# Altium PCB USB_PD_PSU.PcbDoc (part 1 of 2) (continued)
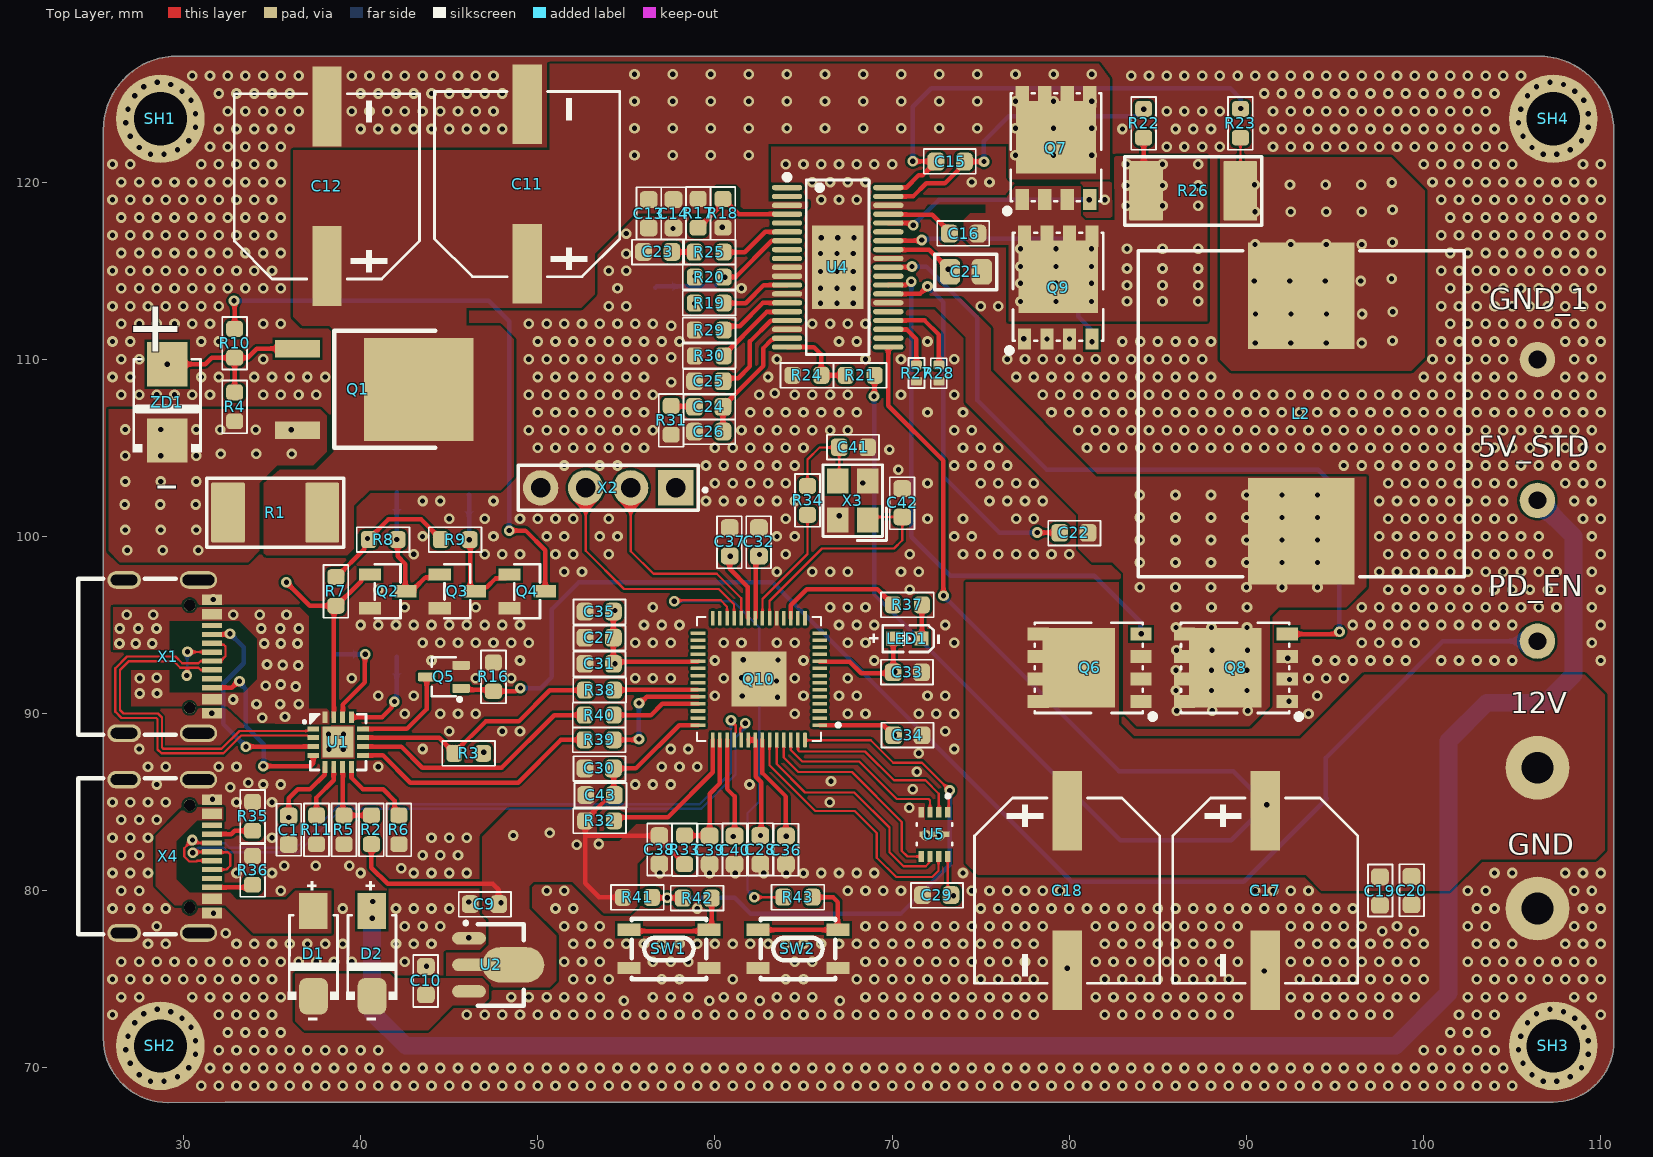
[diagram p0: Top Layer view]
## Components (designator, comment, footprint, x,y, rotation, side; value= is the part's Value field where it differs from the comment)
5V_STD "solder pad" "1mm hole" 106.426,102.035 r90 top
12V "solder pad" "14 awg" 106.426,86.941 r0 top
C1 "SMD capacitor" CAP_0603 35.941,83.417 r270 top value=4.7uF
C9 "SMD capacitor" CAP_0603 46.99,79.248 r180 top value=4.7uF
C10 "SMD capacitor" CAP_0603 43.688,74.93 r90 top value=4.7uF
C11 "SMD capacitor" CAP-SMD_BD10.0-L10.3-W10.3-LS11.0-FD 49.403,119.888 r90 top value=100uF
C12 "SMD capacitor" CAP-SMD_BD10.0-L10.3-W10.3-LS11.0-FD 38.1,119.761 r90 top value=100uF
C13 "SMD capacitor" CAP_0603 56.261,118.215 r270 top value=100nF
C14 "SMD capacitor" CAP_0603 57.658,118.215 r270 top value=1nF
C15 "SMD capacitor" CAP_0603 73.279,121.158 r0 top value=150pF
C16 "SMD capacitor" CAP_0603 74.041,117.094 r0 top value=100nF
C17 "SMD capacitor" CAP-SMD_BD10.0-L10.3-W10.3-LS11.0-FD 91.059,80.01 r270 top value=100uF
C18 "SMD capacitor" CAP-SMD_BD10.0-L10.3-W10.3-LS11.0-FD 79.883,80.01 r270 top value=100uF
C19 "SMD capacitor" CAP_0603 97.536,79.987 r270 top value=1nF
C20 "SMD capacitor" CAP_0603 99.314,80.01 r270 top value=100nF
C21 "SMD capacitor" CAP_0805 74.168,114.935 r0 top value=22uF
C22 "SMD capacitor" CAP_0603 80.264,100.203 r180 top value=100nF
C23 "SMD capacitor" CAP_0603 56.768,116.058 r180 top value=56nF
C24 "SMD capacitor" CAP_0603 59.653,107.315 r180 top value=56nF
C25 "SMD capacitor" CAP_0603 59.653,108.759 r180 top value=7.5nF
C26 "SMD capacitor" CAP_0603 59.653,105.918 r180 top value=5.6nF
C27 "SMD capacitor" CAP_0603 53.467,94.282 r180 top value=100nF
C28 "SMD capacitor" CAP_0603 62.564,82.313 r270 top value=100nF
C29 "SMD capacitor" CAP_0603 72.517,79.756 r180 top value=100nF
C30 "SMD capacitor" CAP_0603 53.467,86.905 r180 top value=100nF
C31 "SMD capacitor" CAP_0603 53.467,92.807 r180 top value=100nF
C32 "SMD capacitor" CAP_0603 62.484,99.695 r90 top value=100nF
C33 "SMD capacitor" CAP_0603 70.866,92.329 r0 top value=100nF
C34 "SMD capacitor" CAP_0603 70.888,88.773 r0 top value=100nF
C35 "SMD capacitor" CAP_0603 53.467,95.758 r180 top value=4.7uF
C36 "SMD capacitor" CAP_0603 64.008,82.296 r270 top value=100nF
C37 "SMD capacitor" CAP_0603 60.833,99.695 r90 top value=100nF
C38 "SMD capacitor" CAP_0603 56.866,82.312 r270 top value=4.7uF
C39 "SMD capacitor" CAP_0603 59.699,82.295 r270 top value=100nF
C40 "SMD capacitor" CAP_0603 61.109,82.297 r270 top value=4.7uF
C41 "SMD capacitor" CAP_0603 67.814,105.026 r0 top value=15pF
C42 "SMD capacitor" CAP_0603 70.578,101.9 r90 top value=15pF
C43 "SMD capacitor" CAP_0603 53.514,85.402 r180 top value=4.7uF
D1 "Diode" "SS54   SMA(DO-214AC)" 37.338,76.454 r90 top
D2 "Diode" "SS54   SMA(DO-214AC)" 40.64,76.454 r90 top
GND "solder pad" "14 awg" 106.426,78.994 r0 top
GND_1 "solder pad" "1mm hole" 106.426,109.982 r90 top
L2 "FIXED IND" WE-HCI_1890 93.091,106.934 r270 top
LED1 "LED" LED0603-RD_RED 70.866,94.234 r180 top
PD_EN "solder pad" "1mm hole" 106.426,94.088 r90 top
Q1 "MOSFET P-CH 60V 60A DPAK" TO-252-2_L6.6-W5.6-P4.60-LS9.7-BR 39.854,108.298 r180 top
Q2 "MOSFET N-CH 60V 380mA SOT-23" SOT-23-3_L2.9-W1.3-P1.90-LS2.4-BR 41.529,96.901 r180 top
Q3 "MOSFET N-CH 60V 380mA SOT-23" SOT-23-3_L2.9-W1.3-P1.90-LS2.4-BR 45.466,96.901 r180 top
Q4 "MOSFET N-CH 60V 380mA SOT-23" SOT-23-3_L2.9-W1.3-P1.90-LS2.4-BR 49.403,96.901 r180 top
Q5 "MOSFET N-CH 30V 350mA" SOT65P210X110-3N 44.704,92.075 r180 top
Q6 "MOSFET N-CH" POWERPAK-SO-8_L5.9-W4.9-P1.27-LS6.2-BL 81.153,92.583 r90 top
Q7 "MOSFET N-CH" POWERPAK-SO-8_L5.9-W4.9-P1.27-LS6.2-BL 79.248,121.92 r0 top
Q8 "MOSFET N-CH" POWERPAK-SO-8_L5.9-W4.9-P1.27-LS6.2-BL 89.408,92.583 r90 top
Q9 "MOSFET N-CH" POWERPAK-SO-8_L5.9-W4.9-P1.27-LS6.2-BL 79.375,114.046 r0 top
Q10 "IC MCU 32BIT EXT MEM 56QFN" QFN40P700X700X90-57N 62.484,91.948 r180 top
R1 "DNP" RES_2512 35.179,101.346 r180 top value=0R
R2 "SMD resistor" RES_0603 40.611,83.442 r270 top value=900K
R3 "SMD resistor" RES_0603 46.101,87.757 r0 top value=10K
R4 "SMD resistor" RES_0603 32.893,107.315 r270 top value=2.6K
R5 "DNP" RES_0603 39.063,83.439 r90 top value=900K
R6 "SMD resistor" RES_0603 42.164,83.439 r90 top value=900K
R7 "SMD resistor" RES_0603 38.608,96.899 r90 top value=10K
R8 "SMD resistor" RES_0603 41.275,99.822 r180 top value=10K
R9 "SMD resistor" RES_0603 45.339,99.822 r180 top value=10K
R10 "SMD resistor" RES_0603 32.893,110.902 r90 top value=10K
R11 "SMD resistor" RES_0603 37.512,83.439 r90 top value=900K
R16 "SMD Resistor" RES_0603 47.498,92.075 r270 top value=10K
R17 "SMD Resistor" RES_0603 59.055,118.237 r90 top value=75K
R18 "SMD Resistor" RES_0603 60.452,118.237 r90 top value=75K
R19 "SMD Resistor" RES_0603 59.675,113.166 r0 top value=10K
R20 "SMD Resistor" RES_0603 59.678,114.634 r180 top value=75K
R21 "SMD Resistor" RES_0603 68.199,109.093 r0 top value=61.9K
R22 "SMD Resistor" RES_0603 84.201,123.317 r90 top value=100R
R23 "SMD Resistor" RES_0603 89.662,123.317 r90 top value=100R
R24 "SMD Resistor" RES_0603 65.192,109.094 r0 top value=5.62K
R25 "SMD Resistor" RES_0603 59.675,116.043 r0 top value=1.07K
R26 "SMD Resistor" RES_2512 86.995,119.507 r180 top value=100R
R27 "SMD Resistor" "RES 0402" 71.374,109.22 r270 top value=0R
R28 "SMD Resistor" "RES 0402" 72.644,109.22 r90 top value=0R
R29 "SMD Resistor" RES_0603 59.675,111.642 r0 top value=133K
R30 "SMD Resistor" RES_0603 59.675,110.189 r0 top value=66.5K
R31 "SMD Resistor" RES_0603 57.531,106.553 r90 top value=2.26K
R32 "SMD Resistor" RES_0603 53.492,83.947 r180 top value=200R
R33 "SMD Resistor" RES_0603 58.293,82.313 r90 top value=0R
R34 "SMD resistor" RES_0603 65.228,102.032 r90 top value=1K
R35 "SMD resistor" RES_0603 33.909,84.201 r270 top value=5.1K
R36 "SMD resistor" RES_0603 33.909,81.153 r270 top value=5.1K
R37 "SMD Resistor" RES_0603 70.866,96.139 r180 top value=1K
R38 "SMD resistor" RES_0603 53.489,91.323 r0 top value=0R
R39 "SMD resistor" RES_0603 53.467,88.519 r0 top value=0R
R40 "SMD resistor" RES_0603 53.467,89.916 r0 top value=0R
R41 "DNP" RES_0603 55.626,79.629 r180 top value=1K
R42 "SMD resistor" RES_0603 59.002,79.583 r180 top value=1K
R43 "SMD resistor" RES_0603 64.688,79.637 r180 top value=0R
SH1 "SCREW HOLE" "PCB hole" 28.702,123.571 r0 top
SH2 "SCREW HOLE" "PCB hole" 28.702,71.247 r0 top
SH3 "SCREW HOLE" "PCB hole" 107.315,71.247 r0 top
SH4 "SCREW HOLE" "PCB hole" 107.315,123.571 r0 top
SW1 "Dev  Switch" SW-SMD_4P-L4.2-W3.3-P2.15-LS5.1 57.404,76.716 r0 top
SW2 "Dev  Switch" SW-SMD_4P-L4.2-W3.3-P2.15-LS5.1 64.688,76.716 r0 top
TP1 "TEST POINT" TESTPOINT 42.037,93.218 r180 bottom
TP2 "TEST POINT" TESTPOINT 29.083,109.719 r180 bottom
TP3 "TEST POINT" TESTPOINT 38.608,93.345 r180 bottom
TP4 "TEST POINT" TESTPOINT 46.101,102.362 r180 bottom
TP5 "TEST POINT" TESTPOINT 42.037,102.489 r180 bottom
TP6 "TEST POINT" TESTPOINT 35.814,97.409 r180 bottom
TP7 "TEST POINT" TESTPOINT 56.642,114.046 r180 bottom
U1 "USB-PD-IC" QFN-16_L3.0-W3.0-P0.50-BL-EP1.7 38.735,88.392 r270 top
U2 "3.3V LDO" SOT-89-3_L4.5-W2.5-P1.50-LS4.1-BR 47.371,75.819 r180 top
U4 "Buck IC" HTSSOP-38_L9.7-W4.4-P0.50-LS6.4-BL-EP 66.929,115.189 r270 top
U5 "SPI Flash" IC_W25Q16JVUXIQ_TR 72.39,83.185 r270 top
X1 "USB-C connector" USB-C-SMD_TYPEC-304J-BCP16 29.134,93.218 r270 top
X2 "Header X 5" SAMTEC_TS-104-T-A 52.705,102.743 r180 top
X3 "Crystals" CRYSTAL-SMD_4P-L3.2-W2.5-BL 67.779,102.024 r90 top
X4 "USB-C connector" USB-C-SMD_TYPEC-304J-BCP16 29.134,81.946 r270 top
ZD1 "DIODE ZENER 10V 5W SMB" SMB_L4.3-W3.6-LS5.2-RD 29.083,107.569 r90 top

## Footprints (in the part's own frame and the unit in brackets; to place one, negate y for a bottom-side part, rotate by r counter-clockwise, add the part's x,y. Pads: shape width x height; smd on the part's side, far side on the other; paste and mask are expansions set on the pad)
"1mm hole" [mm]
  round 2 hole 1: 1(0,0)
"14 awg" [mm]
  round 3.6 hole 1.8: 1(0,0)
CAP-SMD_BD10.0-L10.3-W10.3-LS11.0-FD [mm]
  rect 4.5x1.65 smd: 1(-4.5,0) 2(4.5,0)
  silkscreen extent -5.23,-5.23 5.23,5.23, body extent -5.51,-5.08 5.69,5.42, height 13.2
CAP_0603 [mm]
  rrect50% 0.95x1 smd mask+0.102: 1(-0.8,0) 2(0.8,0)
  silkscreen extent -1.49,-0.68 1.45,0.71, body extent -0.8,-0.4 0.8,0.4, height 0.86
CAP_0805 [mm]
  rrect50% 1.15x1.45 smd: 1(-0.9,0) 2(0.9,0)
  silkscreen extent -1.75,-1.01 1.75,0.99, body extent -0.99,-0.63 1.01,0.62, height 1.25
CRYSTAL-SMD_4P-L3.2-W2.5-BL [mm]
  rect 1.4x1.2 smd: 1(-1.1,-0.85) 2(1.1,-0.85) 3(1.1,0.85) 4(-1.1,0.85)
  silkscreen extent -2.26,-1.91 2.03,1.68, body extent -1.6,-1.25 1.6,1.25, height 0.7
HTSSOP-38_L9.7-W4.4-P0.50-LS6.4-BL-EP [mm]
  oval 0.3x1.715 smd paste+0 mask+0.05: 1(-4.5,-2.858) 2(-4,-2.858) 3(-3.5,-2.858) 4(-3,-2.858) 5(-2.5,-2.858) 6(-2,-2.858) 7(-1.5,-2.858) 8(-1,-2.857) 9(-0.5,-2.857) 10(0,-2.857) 11(0.5,-2.857) 12(1,-2.857) 13(1.5,-2.857) 14(2,-2.857) 15(2.5,-2.857) 16(3,-2.857) 17(3.5,-2.857) 18(4,-2.857) 19(4.5,-2.857) 20(4.5,2.858) 21(4,2.858) 22(3.5,2.858) 23(3,2.858) 24(2.5,2.858) 25(2,2.858) 26(1.5,2.858) 27(1,2.858) 28(0.5,2.858) 29(0,2.857) 30(-0.5,2.857) 31(-1,2.858) 32(-1.5,2.857) 33(-2,2.858) 34(-2.5,2.857) 35(-3,2.858) 36(-3.5,2.857) 37(-4,2.858) 38(-4.5,2.857)
  rect 4.7x2.9 smd paste+0 mask+0.05: 39(0,0)
  silkscreen extent -5.24,-3.01 4.93,1.77, body extent -4.87,-3.2 4.83,3.2, height 1.2
IC_W25Q16JVUXIQ_TR [mm]
  rect 0.6x0.3 smd paste-1 mask+0.07: 1(-1.25,0.75) 2(-1.25,0.25) 3(-1.25,-0.25) 4(-1.25,-0.75) 5(1.25,-0.75) 6(1.25,-0.25) 7(1.25,0.25) 8(1.25,0.75)
  rect 0.3x1.7 smd paste-2: 9(0,0)
  silkscreen extent -2.26,-1 0.63,1, body extent -1.5,-1 1.5,1, height 0.6
LED0603-RD_RED [mm]
  rect 0.8x0.8 smd paste+0 mask+0.051: 1(-0.8,-0.003) 2(0.8,0.003)
  silkscreen extent -1.81,-0.75 2.15,0.76, body extent -0.82,-0.4 0.8,0.4, height 0.63
"PCB hole" [mm]
  round 5 hole 3: 1(0,0)
POWERPAK-SO-8_L5.9-W4.9-P1.27-LS6.2-BL [mm]
  rect 0.75x1.2 smd paste-100 mask+0.05: 1(-1.905,-2.9) 2(-0.635,-2.9) 3(0.635,-2.9) 4(1.905,-2.9) 5(1.905,2.9) 6(0.635,2.9) 7(-0.635,2.9) 8(-1.905,2.9)
  rect 4.5x4.1 smd paste-100 mask+0.05: 8(0,0.609)
  silkscreen extent -2.9,-3.7 2.55,3.1, body extent -2.56,-2.96 2.6,3.19, height 1.12
QFN40P700X700X90-57N [mm]
  rrect25% 0.84x0.2 smd: 1(-3.435,2.6) 2(-3.435,2.2) 3(-3.435,1.8) 4(-3.435,1.4) 5(-3.435,1) 6(-3.435,0.6) 7(-3.435,0.2) 8(-3.435,-0.2) 9(-3.435,-0.6) 10(-3.435,-1) 11(-3.435,-1.4) 12(-3.435,-1.8) 13(-3.435,-2.2) 14(-3.435,-2.6) 29(3.435,-2.6) 30(3.435,-2.2) 31(3.435,-1.8) 32(3.435,-1.4) 33(3.435,-1) 34(3.435,-0.6) 35(3.435,-0.2) 36(3.435,0.2) 37(3.435,0.6) 38(3.435,1) 39(3.435,1.4) 40(3.435,1.8) 41(3.435,2.2) 42(3.435,2.6)
  rrect25% 0.2x0.84 smd: 15(-2.6,-3.435) 16(-2.2,-3.435) 17(-1.8,-3.435) 18(-1.4,-3.435) 19(-1,-3.435) 20(-0.6,-3.435) 21(-0.2,-3.435) 22(0.2,-3.435) 23(0.6,-3.435) 24(1,-3.435) 25(1.4,-3.435) 26(1.8,-3.435) 27(2.2,-3.435) 28(2.6,-3.435) 43(2.6,3.435) 44(2.2,3.435) 45(1.8,3.435) 46(1.4,3.435) 47(1,3.435) 48(0.6,3.435) 49(0.2,3.435) 50(-0.2,3.435) 51(-0.6,3.435) 52(-1,3.435) 53(-1.4,3.435) 54(-1.8,3.435) 55(-2.2,3.435) 56(-2.6,3.435)
  rect 3.1x3.1 smd paste-0.57: 57(0,0)
  silkscreen extent -4.57,-3.5 3.5,3.5, body extent -3.5,-3.5 3.5,3.5, height 0.9
QFN-16_L3.0-W3.0-P0.50-BL-EP1.7 [mm]
  rect 0.28x0.665 smd paste-100 mask+0.051: 1(-0.75,-1.407) 2(-0.25,-1.407) 3(0.25,-1.407) 4(0.75,-1.407) 9(0.75,1.407) 10(0.25,1.407) 11(-0.25,1.407) 12(-0.75,1.407)
  rect 0.665x0.28 smd paste-100 mask+0.051: 5(1.407,-0.75) 6(1.407,-0.25) 7(1.407,0.25) 8(1.407,0.75) 13(-1.407,0.75) 14(-1.407,0.25) 15(-1.407,-0.25) 16(-1.407,-0.75)
  rect 1.75x1.75 smd paste-100 mask+0.051: 17(0,0)
  silkscreen extent -1.58,-1.98 1.58,1.58, body extent -1.5,-1.5 1.5,1.5, height 0.94
"RES 0402" [mm]
  rrect20% 0.49x0.6 smd: 1(-0.455,0) 2(0.455,0)
  silkscreen extent -0.85,-0.45 0.84,0.46, body extent -0.5,-0.25 0.5,0.25, height 0.36
RES_0603 [mm]
  rrect50% 0.9x0.96 smd mask+0.102: 1(-0.814,0) 2(0.814,0)
  silkscreen extent -1.49,-0.7 1.49,0.7, body extent -1.23,-0.41 1.23,0.39, height 0.8
RES_2512 [mm]
  rrect7% 1.9x3.37 smd: 1(-2.66,0) 2(2.66,0)
  silkscreen extent -3.86,-1.93 3.86,1.95, body extent -3.28,-1.6 3.02,1.6, height 0.53
SAMTEC_TS-104-T-A [mm]
  rect 2x2 hole 1.1: 01(-5.08,0)
  round 2 hole 1.1: 02(-2.54,0) 03(0,0) 04(2.54,0)
  silkscreen extent -6.85,-1.27 3.81,1.27
SMB_L4.3-W3.6-LS5.2-RD [mm]
  rect 2.5x2.3 smd: 1(-2.15,0) 2(2.15,0)
  silkscreen extent -2.81,-1.96 2.43,1.95, body extent -2.83,-1.95 2.57,1.95, height 2.5
SOT65P210X110-3N [mm]
  rrect25% 0.99x0.5 smd: 1(-0.97,0.65) 2(-0.97,-0.65) 3(0.97,0)
  silkscreen extent -0.99,-1.1 0.68,1.37, body extent -1.05,-1 1.05,1, height 1.1
SOT-23-3_L2.9-W1.3-P1.90-LS2.4-BR [mm]
  rect 1.25x0.7 smd: 1(1,-0.95) 2(1,0.95) 3(-1,0)
  silkscreen extent -0.73,-1.53 0.73,1.53, body extent -1.25,-1.5 1.25,1.5, height 1.1
SOT-89-3_L4.5-W2.5-P1.50-LS4.1-BR [mm]
  oval 1.9x0.7 smd paste-100 mask+0.051: 1(1.25,-1.501) 3(1.25,1.501)
  oval 3.5x2 smd paste-100 mask+0.051: 2(-1.25,0)
  oval 2.1x0.7 smd paste-100 mask+0.051: 2(1.151,0)
  silkscreen extent -1.85,-2.42 1.49,2.3, body extent -2.13,-2.25 1.87,2.25, height 1.52
"SS54   SMA(DO-214AC)" [mm]
  rrect50% 2.046x1.62 smd: 1(-2.404,-0.009)
  rect 2.046x1.62 smd: 2(2.404,0.009)
  silkscreen extent -3.75,-1.44 4.08,1.44, body extent -2.85,-1.45 2.35,1.45, height 2.3
SW-SMD_4P-L4.2-W3.3-P2.15-LS5.1 [mm]
  rect 1.3x0.7 smd paste+0 mask+0.051: 1(-2.25,1.075) 2(2.25,1.075) 3(-2.25,-1.075) 4(2.25,-1.075)
  silkscreen extent -2.1,-1.7 2.1,1.7, body extent -2.3,-1.6 2.3,1.6, height 2.7
TESTPOINT [mm]
  round 2 smd: 1(0,0)
TO-252-2_L6.6-W5.6-P4.60-LS9.7-BR [mm]
  rect 2.54x1 smd: 1(3.427,-2.3) 3(3.427,2.3)
  rect 6.2x5.8 smd: 2(-3.427,0)
  silkscreen extent -4.36,-3.3 1.34,3.3, body extent -6.07,-3.37 4.32,3.37, height 2.32
USB-C-SMD_TYPEC-304J-BCP16 [mm]
  oval 1x2.1 hole 0.6 slot 1.8 at 90 deg paste-2539.97 mask+0.051: 13(-4.325,1.719) 14(4.325,1.719)
  oval 1x1.9 hole 0.6 slot 1.5 at 90 deg paste-2539.97 mask+0.051: 15(-4.325,-2.481) 16(4.325,-2.481)
  rect 0.6x1.15 smd mask+0.04: A1B12(-3.2,2.481) A4B9(-2.4,2.481) B1A12(3.2,2.481) B4A9(2.4,2.481)
  rect 0.3x1.15 smd mask+0.04: A5(-1.25,2.481) A6(-0.25,2.481) A7(0.25,2.481) A8(1.25,2.481) B5(1.75,2.481) B6(0.75,2.481) B7(-0.75,2.481) B8(-1.75,2.481)
  round 0.65 hole 0.65 unplated paste-2539.97: ""(-2.89,1.219) ""(2.89,1.219)
  silkscreen extent -4.4,-5.08 4.4,0.44, body extent -4.47,-5.06 4.47,2.54, height 0.5
WE-HCI_1890 [mm]
  rect 6x6 smd: 1(-6.65,0) 2(6.65,0)
  silkscreen extent -9.2,-9.2 9.2,9.2, body extent -9.28,-9.1 9.02,9.1, height 8.95

## Part data
C1 C9 C10 C13 C14 C15 C16 C19 C20 C22 C23 C24 C25 C26 C27 C28 C29 C30 C31 C32 C33 C34 C35 C36 C37 C38 C39 C40 C41 C42 C43: library part CAP_SMD_CERAMIC, "SMD Capacitor", Package=0603, Tolerance=±10%
C11 C12 C17 C18: library part 63SXV100M, "63V 100uF Polymer ±20% 25mΩ 164mA@120Hz SMD,D10xL12.7mm Aluminum - Polymer Capacitors ROHS", Package=SMD,D10xL12.7mm, Tolerance=±20%, Voltage=63V, Data Sheet=https://www.lcsc.com/datasheet/C3274502.pdf, Manifacturing Company Name=PANASONIC, Manifacturing Part Number=63SXV100M
C21: library part CAP_SMD_CERAMIC, "SMD Capacitor", Package=0805, Tolerance=±10%, Voltage=35V
D1 D2: library part SS54, "40V 550mV@5A 5A SMA(DO-214AC) Schottky Barrier Diodes (SBD) ROHS", Package=SMA(DO-214AC), Data Sheet=https://datasheet.lcsc.com/lcsc/2205301745_FUXINSEMI-SS54_C3018536.pdf, Manifacturing Company Name=FUXINSEMI, Manifacturing Part Number=SS54
L2: library part 7443556130, "1.3 µH Shielded Wirewound Inductor 34.5 A 0.94mOhm Nonstandard", Package="0.720\" L x 0.717\" W (18.30mm x 18.20mm)", Data Sheet=https://www.we-online.com/components/products/datasheet/7443556130.pdf, Manifacturing Company Name="Würth Elektronik", Manifacturing Part Number=7443556130
LED1: library part "LED SMD", "LED  SMD", Manifacturing Part Number="LED 3MM  204-10ASUBW/S400-A5", Package="P = 3.00MM"
Q1: library part TJ60S06M3L(T6L1,NQ), "60V 60A 100W 8.6mΩ@10V 1 P-Channel DPAK Single FETs, MOSFETs ROHS", JLCPCB Part #=C2835315, Manifacturing Part Number=TJ60S06M3L(T6L1,NQ, Package=C7068953, Tolerance=N/A, Data Sheet=https://www.lcsc.com/datasheet/C7068953.pdf, Manifacturing Company Name=TOSHIBA
Q2 Q3 Q4: library part 2N7002KT1G, "60V 380mA 2.5Ω@4.5V,200mA 420mW 2.3V@250uA 1 N-Channel SOT-23 Single FETs, MOSFETs ROHS", JLCPCB Part #=C116584, Package=SOT-23, Data Sheet=https://www.lcsc.com/datasheet/C116584.pdf, Manifacturing Company Name=onsemi, Manifacturing Part Number=2N7002KT1G
Q5: library part NX3008NBKW,115, "30V 350mA 830mW 1.4Ω@4.5V 1.1V@250uA 1 N-Channel SC-70 MOSFETs ROHS", JLCPCB Part #=C282548, Package=SC-70, Data Sheet=https://www.lcsc.com/datasheet/C282548.pdf, Manifacturing Company Name=Nexperia, Manifacturing Part Number=NX3008NBKW,115
Q6 Q7 Q8 Q9: library part SIR180DP-T1-RE3, "60V 32.4A 53.3W 1.7mΩ@10V 3.6V 1 N-Channel PowerPAKSO-8 Single FETs, MOSFETs ROHS", JLCPCB Part #=C5334421, Package=PowerPAKSO-8, Data Sheet=https://www.lcsc.com/datasheet/C3274502.pdf, Manifacturing Company Name=VISHAY, Manifacturing Part Number=SIR180DP-T1-RE3
Q10: library part RP2040, "ARM® Cortex®-M0+ - Microcontroller IC 32-Bit Dual-Core 133MHz External Program Memory 56-QFN (7x7)", JLCPCB Part #=C2040, Package="56-QFN (7x7)", Data Sheet=https://datasheets.raspberrypi.com/rp2040/rp2040-datasheet.pdf, Manifacturing Company Name="Raspberry Pi", Manifacturing Part Number=RP2040
R1: library part RES_SMD_CERAMIC, "SMD Resistor", Package=2512, Tolerance=±5%
R2 R3 R5 R6 R7 R8 R9 R11 R34 R35 R36 R38 R39 R40 R41 R42 R43: library part RES_SMD_CERAMIC, "SMD Resistor", Package=0603, Tolerance=±5%
R4 R10: library part RES_SMD_CERAMIC, "SMD Resistor", Package=1206, Tolerance=±5%
R16 R17 R18 R19 R20 R21 R22 R23 R24 R25 R26 R27 R28 R29 R30 R31 R32 R33 R37: library part RES_SMD_CERAMIC, Package=0603, Tolerance=±5%
SH1 SH2 SH3 SH4: library part Hole
SW1 SW2: library part TS-1089S-02526, "50mA Brick nogging SPST 12V SMD,3.3x4.2mm Tactile Switches ROHS", JLCPCB Part #=C455282, Package=SMD,3.3x4.2mm, Tolerance=±5%, Data Sheet=https://datasheet.lcsc.com/lcsc/1912111437_XUNPU-TS-1089S-02526_C455282.pdf, Manifacturing Company Name=XUNPU, Manifacturing Part Number=TS-1089S-02526
U1: library part "Hynetek HUSB238A-BB001-QN16R", "QFN-16L-EP(3x3) USB PD ROHS", JLCPCB Part #=C24833806, Manifacturing Part Number=HUSB238A-BB001-QN16R, Package=QFN-16L-EP(3x3), Tolerance=N/A, Data Sheet=https://www.lcsc.com/datasheet/C24833806.pdf, Manifacturing Company Name=Hynetek
U2: library part AMS1117S-3.3, "70dB@(120Hz) 1A Fixed 3.3V Positive 30V SOT-89-3 Voltage Regulators - Linear, Low Drop Out (LDO) Regulators ROHS", JLCPCB Part #=JSMSEMI, Package=SOT-89-3, Tolerance=N/A, Data Sheet=https://www.lcsc.com/datasheet/C917152.pdf, Manifacturing Company Name=JSMSEMI, Manifacturing Part Number=AMS1117S-3.3
U4: library part LM51770DCPR, "Buck-Boost Regulator Positive Output Step-Up/Step-Down DC-DC Controller IC 38-HTSSOP", JLCPCB Part #=C18236275, Manifacturing Part Number=TPP363080-T6TR, Package=38-HTSSOP, Tolerance=N/A, Data Sheet=https://www.ti.com.cn/cn/lit/ds/symlink/lm51770.pdf, Manifacturing Company Name=TI
U5: library part W25Q16JVUXIQ, "16Mbit 2.7V~3.6V 133MHz SPI USON-8-EP(2x3) Memory (ICs) ROHS", JLCPCB Part #=C2843335, Package=USON-8-EP(2x3), Tolerance=N/A, Data Sheet=https://www.lcsc.com/datasheet/C2843335.pdf, Manifacturing Company Name=Winbond, Manifacturing Part Number=W25Q16JVUXIQ
X1 X4: library part TYPEC-304J-BCP16, "5A USB 3.1 1 Surface Mount, Right Angle 16P Female -40℃~+85℃ Type-C SMD USB Connectors ROHS", JLCPCB Part #=C2835315, Package=SMD, Tolerance=N/A, Data Sheet=https://www.lcsc.com/datasheet/C2835315.pdf, Manifacturing Company Name=XUNPU, Manifacturing Part Number=TYPEC-304J-BCP16
X2: library part "4 Pin Header", "4 pin header pitch 2.54mm", JLCPCB Part #=C91552, Package="THT P 2.54mm", Tolerance=N/A, Data Sheet=https://datasheet.lcsc.com/lcsc/2304140030_BOOMELE-Boom-Precision-Elec-C91552_C91552.pdf, Manifacturing Company Name="BOOMELE(Boom Precision Elec)", Manifacturing Part Number=C91552
X3: library part ABM8-272-T3, "12 MHz ±30ppm Crystal 10pF 50 Ohms 4-SMD, No Lead", JLCPCB Part #=C20625731, Package=3225-4P, Tolerance=±30ppm, Data Sheet=https://mm.digikey.com/Volume0/opasdata/d220001/medias/docus/6536/ABM8_Datasheet.pdf, Manifacturing Company Name=ABRACON, Manifacturing Part Number=ABM8-272-T3
ZD1: library part SMBJ5347B, "Independent 9.5V~10.5V 5W 10V SMB(DO-214AA) Single Zener Diodes ROHS", JLCPCB Part #=C2903873, Package=SMB(DO-214AA), Data Sheet=https://www.lcsc.com/datasheet/C2903873.pdf, Manifacturing Company Name=LGE, Manifacturing Part Number=SMBJ5347B

## Via types
v1: diameter 0.6, hole 0.3, Top Layer to Bottom Layer, tented both sides, 2011 vias

## Nets (pads, with @x,y where several pads share a name; then routed paths per layer and width w, separated by ;. In a path a pad name is that pad's centre, name@x,y a point inside that pad or via, vN(x,y) a via of type N, cw(c..) or ccw(c..) an arc to the next point about the centre after c; other vN are vias at no path point)
1V1: C36.1 C37.1 C40.1 Q10.23 Q10.45 Q10.50 | length 37
  Top Layer w0.254: Q10.45@60.684,88.513 60.684,85.747 61.109,85.322 C40.1@61.109,83.097 ; C37.1@60.833,98.895 60.833,98.171 61.857,97.147 61.857,95.41 Q10.23@61.884,95.383 ; Q10.50@62.684,88.513 62.684,86.645 64.008,85.321 C36.1@64.008,83.112
  L2(power) w1: v1(60.856,98.878) 59.563,97.585 59.563,93.874 59.073,93.384 59.073,89.644 61.027,87.69 61.027,84.505 ; v1(61.027,83.068) 61.027,84.505 ; v1(64.029,83.076) 64.044,83.091 64.044,83.919 63.458,84.505 61.027,84.505
3V3: C1.1 C9.1 C27.1 C28.1 C29.1 C30.1 C31.1 C32.1 C33.1 C34.1 C35.1 C38.1 C43.1 LED1.2 Q10.1 Q10.10 Q10.22 Q10.33 Q10.42 Q10.48 Q10.49 R2.2 R3.2 R7.2 R8.2 R9.2 R32.2 R33.1 R41.2 U1.5 U2.2 U5.8 | length 176.1
  Top Layer w0.127: U5.8@73.14,81.935 73.141,81.934 73.141,80.033 v1(73.462,79.712)
  Top Layer w0.254: C1.1@35.941,84.217 35.941,85.217 36.449,85.725 37.145,85.725 37.972,86.552 37.972,86.972 U1.5@37.985,86.985 ; R7.2@38.608,97.713 38.638,97.713 40.198,99.274 40.198,99.559 R8.2@40.461,99.822 40.461,99.852 41.574,100.965 43.412,100.965 44.525,99.852 R9.2@44.525,99.822 ; R2.2@40.611,82.628 40.611,81.309 41.529,80.391 47.45,80.391 47.79,80.051 C9.1@47.79,79.248 ; C43.1@54.009,85.097 53.798,85.097 52.678,83.977 R32.2@52.678,83.947 52.678,83.185 ; C31.1@54.267,92.819 C27.1@54.267,94.282 C35.1@54.267,95.758 ; C43.1@54.314,85.402 54.29,85.426 54.29,86.881 C30.1@54.267,86.905 55.536,86.905 57.979,89.348 Q10.42@59.049,89.348 ; C31.1@54.381,92.921 59.022,92.921 Q10.33@59.049,92.948 ; R41.2@54.812,79.629 53.467,79.629 52.678,80.418 52.678,83.185 ; R33.1@58,81.792 58,81.815 57.94,81.875 57.94,81.88 57.17,82.65 57.17,82.807 C38.1@56.866,83.112 52.751,83.112 52.678,83.185 ; Q10.48@61.884,88.513 Q10.49@62.284,88.513 62.303,88.494 62.303,86.434 62.614,86.123 62.614,83.158 v1(62.577,83.121) ; Q10.22@62.284,95.383 62.311,95.41 62.311,98.722 C32.1@62.484,98.895 ; Q10.1@65.919,89.348 69.517,89.348 C34.1@70.088,88.777 ; Q10.10@65.919,92.936 67.596,92.936 68.257,92.275 70.012,92.275 C33.1@70.066,92.329 LED1.2@70.066,94.23
  L2(power) w1: v1(35.942,84.133) 47.6,84.133 ; v1@40.404,99.881 42.876,97.409 48.895,97.409 50.682,95.622 v1(50.682,83.265) ; v1(46.944,87.812) 47.6,87.156 47.6,84.133 ; v1(48.61,83.123) 47.6,84.133 ; v1@53.437,82.595 v1(52.194,82.595) 52.194,90.658 v1(54.355,92.819) 54.355,95.757 55.969,97.371 55.969,99.53 56.769,100.33 61.81,100.33 62.517,99.623 v1(62.517,98.984) ; v1(53.437,82.644) 54.166,81.915 61.991,81.915 ; v1(62.577,83.121) 62.577,82.501 61.991,81.915 ; v1(70.146,92.356) 70.133,92.343 v1(70.133,88.783) 69.701,88.352 69.701,84.449 ; v1(73.462,79.712) 72.584,79.712 69.701,82.595 69.701,84.449 ; 61.991,81.915 65.792,81.915 68.326,84.449 69.701,84.449
  other v1: 47.93,79.323 54.356,95.817 40.387,99.881
5V_PC: D1.2 X4.A4B9 X4.B4A9
5V_STDBY: 5V_STD.1 D2.2 | length 102.5
  Bottom Layer w1: v1@40.64,79.375 40.64,73.151 42.544,71.247 98.425,71.247 101.41,74.232 101.41,88.456 103.569,90.614 106.87,90.614 108.458,92.202 108.458,100.003 5V_STD.1@106.426,102.035
  other v1: 40.658,78.452 40.693,79.392
12V: 12V.1 C17.1 C18.1 C19.1 C20.1 Q6.5 Q6.6 Q6.7 Q6.8 R21.2 U4.20 | length 79.6
  Top Layer w0.254: R21.2@69.013,109.093 69.013,107.909 v1@69.021,107.901 ; U4.20@69.787,110.689 69.787,107.378 72.898,104.267 v1(72.898,96.647)
  Bottom Layer w0.254: v1(68.981,107.917) 68.981,96.754 82.882,82.853 89.148,82.853 v1(91.147,84.852) 89.258,86.741 82.804,86.741 v1(72.898,96.647)
CC1: U1.3 X1.A5 | length 12.6
  Top Layer w0.254: X1.A5@31.616,94.468 32.675,94.468 v1@32.68,94.473 ; v1(33.528,88.138) 33.53,88.14 37.326,88.14 U1.3@37.328,88.142
  Bottom Layer w0.254: v1(32.634,94.512) 33.401,93.744 33.401,92.837 32.25,91.686 32.25,89.416 v1(33.528,88.138)
CC2: U1.4 X1.B5 | length 10.4
  Top Layer w0.254: X1.B5@31.616,91.468 32.722,91.468 33.075,91.822 v1(33.169,91.822) ; v1(34.503,87.039) 37.179,87.039 37.328,87.187 U1.4@37.328,87.642
  Bottom Layer w0.254: v1(33.169,91.822) 33.169,91.728 33.531,91.366 33.531,89.278 34.544,88.265 v1@34.544,86.995
CSA: C15.2 R22.2 U4.37 | length 17.2
  Top Layer w0.254: U4.37@69.787,119.189 71.183,119.189 71.93,119.936 72.984,119.936 73.731,120.682 73.731,120.725 74.079,121.073 C15.2@74.079,121.158 v1(75.184,121.158)
  Bottom Layer w0.254: v1(75.184,121.158) 75.184,122.301 76.591,123.708 83.765,123.708 84.172,124.116 v1(84.21,124.116)
CSB: C15.1 R23.2 U4.38 | length 27.5
  Top Layer w0.254: U4.38@69.787,119.689 70.794,119.689 71.501,120.396 71.742,120.396 72.479,121.133 C15.1@72.479,121.158 72.471,121.166 v1@71.128,121.166
  Bottom Layer w0.254: v1(71.173,121.175) 71.173,124.259 72.204,125.29 89.086,125.29 89.682,124.694 v1(89.682,124.149)
D_N: U1.2 X1.A7 X1.B7 | length 24.3
  Top Layer w0.128: X1.B7@31.616,93.968 31.701,93.882 32.281,93.882 32.382,93.781 32.382,93.239 32.127,92.983 X1.A7@31.616,92.968 30.976,92.968 30.854,92.846 29.929,92.846 29.557,93.218 26.817,93.218 26.161,92.562 26.161,92.201 26.161,90.101 26.508,89.754 28.462,89.754 28.538,89.679 28.538,87.98 28.763,87.756 32.257,87.756 33.265,88.764 36.984,88.764 37.03,88.718 37.252,88.718 U1.2@37.328,88.642
D_P: U1.1 X1.A6 X1.B6 | length 24.3
  Top Layer w0.128: v1(30.195,92.154) 30.221,92.18 30.221,92.59 ; v1(30.228,93.482) 30.235,93.475 31.609,93.475 X1.A6@31.616,93.468 ; X1.B6@31.616,92.468 30.976,92.468 30.854,92.59 30.221,92.59 ; U1.1@37.328,89.142 37.135,89.142 37.013,89.02 33.159,89.02 32.151,88.011 28.868,88.011 28.793,88.086 28.793,89.785 28.568,90.01 26.614,90.01 26.416,90.207 26.416,92.456 26.923,92.963 29.451,92.963 29.823,92.59 30.221,92.59
  Bottom Layer w0.128: v1(30.195,92.154) 30.211,92.17 v1@30.211,93.466
FB: R21.1 R24.2 U4.19 | length 4.7
  Top Layer w0.254: U4.19@64.072,110.689 65.587,110.689 66.006,110.27 R24.2@66.006,109.094 ; R24.2@66.006,109.093 R21.1@67.385,109.093
GATE_DRIVE: Q2.1 R7.1 TP6.1 U1.15 | length 12.2
  Top Layer w0.254: v1(35.814,97.409) 37.138,96.085 R7.1@38.608,96.085 ; U1.15@38.485,89.799 38.498,89.812 R7.1@38.498,95.946 ; R7.1@38.623,96.07 40.031,97.478 40.031,97.628 40.254,97.851 Q2.1@40.529,97.851